# Altium PCB MCU023_MSP-EXP432E401Y.PcbDoc (part 3 of 4)
Units mil, origin at the board's own origin, x right, y up, seen from the top; angles counter-clockwise.
Board outline 2500 x 6850 mil, 4 copper layers (Top Layer, VCC Layer, GND Layer, Bottom Layer), stack 62.434 mil thick; 203 components, 183 nets, 939 pads, 602 vias.
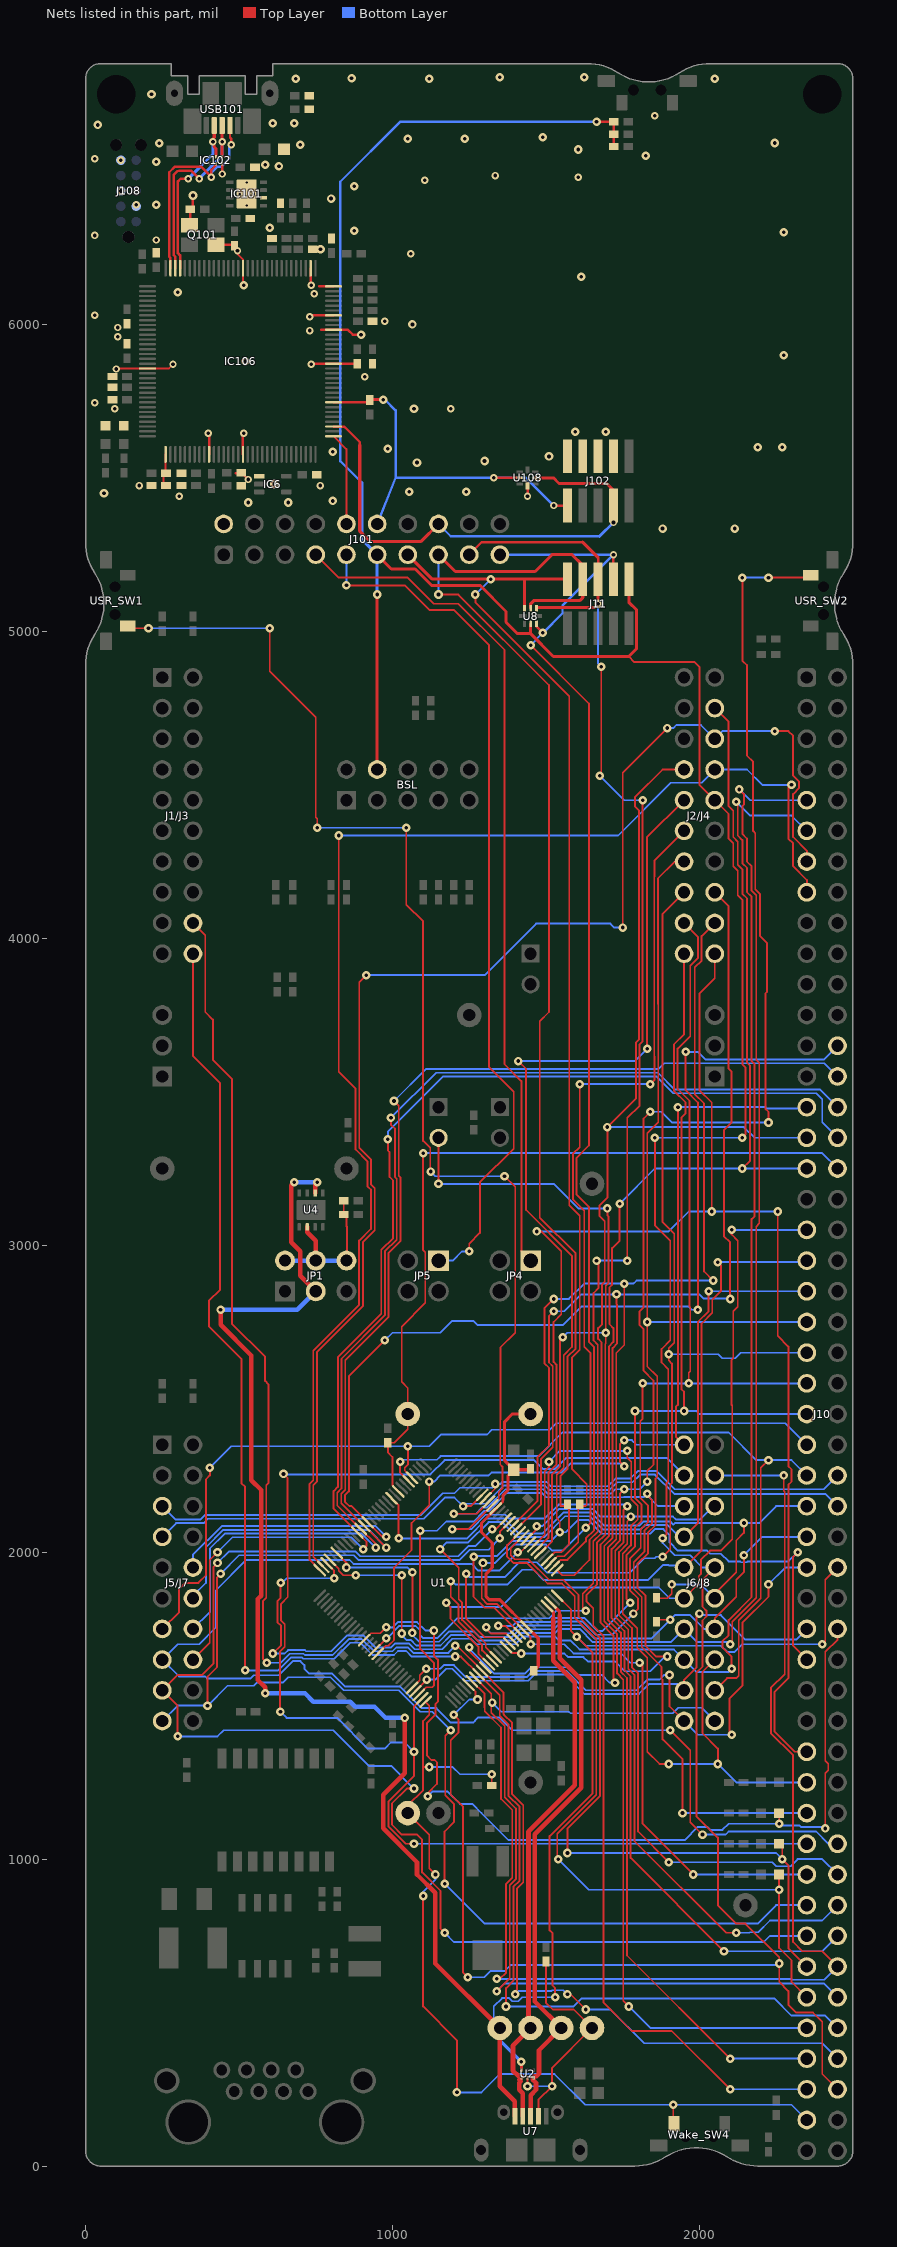
[diagram p5: the nets of this part, all layers, seen from the top]

## Via types
v1: diameter 28, hole 12, Top Layer to Bottom Layer, 442 vias
v2: diameter 24, hole 12, Top Layer to Bottom Layer, 86 vias
v3: diameter 28/28/28/28 (per signal layer), hole 12, Top Layer to Bottom Layer, 66 vias
v4: diameter 19.68, hole 7.87, Top Layer to Bottom Layer, 8 vias

## Nets (pads, with @x,y where several pads share a name; then routed paths per layer and width w, separated by ;. In a path a pad name is that pad's centre, name@x,y a point inside that pad or via, vN(x,y) a via of type N, cw(c..) or ccw(c..) an arc to the next point about the centre after c; other vN are vias at no path point) (continued)
PF4: D3.1 J10.64 U1.46 | length 2971
  Top Layer w6: U1.46@907.8,1713.48 930,1735.68 960.68,1735.68 v1(980,1755) ; v1(1115,1205) 1115,1215 1145,1245 1145,1315 1137,1323 1127,1323 1112,1338 1112,1442 1140,1470 1140,1505 1148,1513 1148,1650 1135,1663 v1(1135,1745) ; D3.1@2259.53,1150 2260,1149.53 v1(2260,1115) ; v1(2410,1100) 2410,1280 2420,1290 2420,1310 2410,1320 2410,1675 2450,1715 J10.64@2450,1750
  Bottom Layer w6: v1(980,1755) 1000.5,1755 1017.5,1772 1055.03,1772 1079.97,1772 1106.97,1745 v1(1135,1745) ; v1(1115,1205) 1130,1220 1180,1220 1220,1180 1260,1180 1290,1150 1378,1062 1952,1062 1995,1105 2025,1105 2035,1095 2075,1095 2095,1115 v1(2260,1115) 2260,1110 2325,1110 2330,1105 2405,1105 v1(2410,1100)
PG0: J2/J4.37 J10.31 U1.49 | length 4410.1
  Top Layer w6: U1.49@941.21,1680.07 979.23,1718.1 v1(979.23,1720) ; v1@1630,1805 1620,1815 1620,1865 1653.99,1898.99 1653.99,2035.04 1681,2062.06 1681,2684 1670,2695 1670,2730 1683,2743 1683,2873 1691.5,2881.5 1691.5,3078.5 1675,3095 1675,3130 1700,3155 v1(1700,3385) 1793,3478 1793,3659.97 1803,3669.97 1803,4417 1790,4430 1790,4460 1880,4550 J2/J4.37@1950,4550
  Bottom Layer w6: v1(979.23,1720) 982.47,1720 1022.47,1760 1060,1760 1075,1760 1090,1745 1090,1730 1100,1720 1146.56,1720 1211.56,1785 1510.12,1785 1534.12,1809 v1(1630,1809) ; v1(1700,3385) 2145,3385 2180,3350 J10.31@2350,3350
PG1: J6/J8.40 J10.29 U1.50 | length 3133.8
  Top Layer w6: U1.50@952.34,1668.94 978.41,1695 986.76,1695 1005,1713.24 1005,1950 1062,2007 1062,2095 1120,2153 v1(1120,2230) ; v1(1755,2280) 1741,2294 1741,2351 v1(1755,2365) ; v1(1930,3450) 1930,2480 1923.5,2473.5 1923.5,2376.5 J6/J8.40@1950,2350
  Bottom Layer w6: v1(1120,2230) 1135.56,2230 1155.56,2250 1313.5,2250 1322.68,2259.18 1549.68,2259.18 1579.03,2288.53 1746.47,2288.53 v1(1755,2280) ; v1(1755,2365) 1780,2365 1795,2350 J6/J8.40@1950,2350 ; v1(1930,3450) 2215,3450 2220,3445 2345,3445 J10.29@2350,3450
PH0: J6/J8.34 J10.9 U1.29 | length 4730.1
  Top Layer w6: U1.29@796.45,1975.16 825,1946.61 825,1940 840,1925 v1(880,1925) ; v1(1030,1735) 1028,1737 1030,1739 v1(1030,1925) ; v1(2100,1700) 2107,1707 2107,1773.97 2185,1851.97 2185,3060.94 2195,3070.94 2195,3595 2185,3605 2185,4140 2170,4155 2170,4235 2155,4250 2155,4325 2140,4340 2140,4430 2145,4435 2145,4470 v1(2130,4485)
  Bottom Layer w6: v1(880,1925) v1(1030,1925) ; v1(1030,1735) 1025,1735 1025,1734 1045,1714 1059.44,1714 1077.44,1696 1156.5,1696 1190.5,1730 1259.5,1730 1277.5,1712 1395.03,1712 1420.03,1737 1530,1737 1543,1750 1610,1750 1653,1707 1907,1707 J6/J8.34@1950,1750 1993,1707 2093,1707 v1(2100,1700) ; v1(2130,4485) 2165,4450 J10.9@2350,4450
PH1: J6/J8.33 J10.11 U1.30 | length 5301.7
  Top Layer w6: v1(610,1670) 637,1697 637,1759.97 625,1771.97 625,1840 635,1850 635,1900 v1@640,1900 ; U1.30@785.31,1964.03 810,1939.34 v1(810,1915) ; v1(2105,1620) 2105,1660 2075,1690 2075,1710 2095,1730 2095,1778.94 2170,1853.94 2170,3085 2180,3095 2180,3590 2170,3600 2170,4135 2155,4150 2155,4230 2140,4245 2140,4320 2125,4335 2125,4440 v1(2120,4445)
  Bottom Layer w6: v1(610,1670) 649.09,1670 660.09,1681 714.91,1681 718.91,1677 800.53,1677 852.53,1729 904.94,1729 944.94,1689 995.06,1689 1008.06,1702 1054.47,1702 1072.47,1684 1161.47,1684 1195.47,1718 1254.53,1718 1272.53,1700 1400,1700 1425,1725 1530,1725 1543,1712 1580.47,1712 1609.47,1683 1917,1683 J6/J8.33@1950,1650 1990,1610 2095,1610 v1(2105,1620) ; v1@640,1900 655,1915 v1(810,1915) ; v1(2120,4445) 2165,4400 2300,4400 J10.11@2350,4350
  other v1: 636,1900
PH2: J2/J4.18 J10.13 U1.31 | length 4568.2
  Top Layer w6: U1.31@774.18,1952.89 742,1985.07 742,2217.76 754,2229.76 754,2652.03 903.48,2801.51 903.48,3010 936,3042.52 936.24,3042.52 942,3048.28 942,3186.15 930.38,3197.78 930.38,3278.56 892,3316.94 892,3857 v1(915,3880) ; v1(1750,4035) 1750,4540 v1(1895,4685) ; v1(2245,4675) 2290,4675 2305,4660 2305,4530 2325,4510 2325,4490 2305,4470 2305,4330 2350,4285 J10.13@2350,4250
  Bottom Layer w6: v1(915,3880) 1300,3880 1468,4048 1710,4048 1723,4035 v1(1750,4035) ; v1(1895,4685) 1915,4685 1925,4695 2005,4695 J2/J4.18@2050,4650 2075,4675 v1(2245,4675)
PH3: J2/J4.17 J10.15 U1.32 | length 4497
  Top Layer w6: U1.32@763.04,1941.76 730,1974.8 730,2222.73 742,2234.73 742,2657 891.48,2806.48 891.48,3014.97 930,3053.49 930,3181.18 918.38,3192.81 918.38,3273.59 880,3311.97 880,3510 825,3565 v1(825,4335) ; v1(2300,4500) 2290,4490 2290,4325 2305,4310 2305,4235 2350,4190 J10.15@2350,4150
  Bottom Layer w6: v1(825,4335) 1735,4335 1907,4507 2007,4507 J2/J4.17@2050,4550 2155,4550 2205,4500 v1(2300,4500)
PJ0: J10.82 U1.116 USR_SW1.4 | length 6725.6
  Top Layer w6: USR_SW1.4@137.56,5017.32 144.88,5010 v1(205,5010) ; v1(600,5010) 600,4870 750,4720 750,4395 755,4390 v1(755,4360) ; v1(1045,4360) 1045,4110 1100,4055 1100,3340 1123,3317 1123,3242 v1(1125,3240) ; v1(1195,2075) 1247.05,2075 U1.116@1325.38,2153.33 1346,2173.95 1346,2195.91 1358,2207.91 1358,2279 1351.3,2285.7 1351.3,2431.8 1352,2432.5 1352,2667 1400,2715 1400,3190 v1(1365,3225) ; v1(1765,2150) 1753,2138 1753,2032.24 1726,2005.24 1726,1790.06 1768,1748.06 1768,1620.03 1788,1600.03 1788,1058.97 2086.97,760 v1(2120,760)
  Bottom Layer w6: v1(205,5010) v1(600,5010) ; v1(755,4360) v1(1045,4360) ; v1(1125,3240) 1140,3225 v1(1365,3225) ; v1(1195,2075) 1256.06,2075 1303.06,2122 1366.94,2122 1378.94,2110 1496,2110 1541,2155 1760,2155 v1(1765,2150) ; v1(2120,760) 2163.03,760 2165.03,762 2192,762 2230,800 2400,800 J10.82@2450,850
PJ1: J10.84 U1.117 USR_SW2.4 | length 6566.4
  Top Layer w6: v1(1200,2125) 1274.78,2125 U1.117@1314.25,2164.47 ; v1(1755,2205) 1741,2191 1741,2037.21 1714,2010.21 1714,1785.09 1756,1743.09 1756,1615.06 1776,1595.06 1776,1004 v1(2080,700) ; v1(1830,2230) 1830,2265 1850.49,2285.49 1850.49,2559.04 1818,2591.53 1818,2727 1805,2740 1805,2785 1818,2798 1818,3413 v1(1840,3435) ; v1(2140,5175) 2140,4905 2155,4890 2155,4595 2175,4575 2175,4350 2182,4343 2182,4159.97 2197,4144.97 2197,4008 2220,3985 2220,3825 2215,3820 2215,3445 2225,3435 v1(2225,3400) ; v1(2225,5175) 2354.76,5175 USR_SW2.4@2362.44,5182.68
  Bottom Layer w6: v1(1200,2125) 1272.12,2125 1293.12,2146 1309.03,2146 1368.21,2205.18 1491.79,2205.18 1505.97,2191 1711.97,2191 1725.97,2205 v1(1755,2205) 1805,2205 v1(1830,2230) ; v1(1840,3435) 1875,3435 1910,3400 v1(2225,3400) ; v1(2080,700) 2400,700 J10.84@2450,750 ; v1(2140,5175) v1(2225,5175)
PK0: J5/J7.25 J10.26 U1.18 | length 3946.8
  Top Layer w6: v1(975,2690) 858,2573 858,2198 845,2185 845,2165 860,2150 866.59,2150 U1.18@918.94,2097.66 966.59,2050 v1(980,2050) ; v1(1955,3630) 1955,3505 1995,3465 v1(1995,2790)
  Bottom Layer w6: J5/J7.25@350,1950 350,1991.03 443.74,2084.77 945.23,2084.77 v1(980,2050) ; v1(975,2690) 1000,2715 1155,2715 1192.97,2752.97 1265,2752.97 1277.97,2740 1555,2740 1615,2800 1965,2800 1975,2790 v1(1995,2790) ; v1(1955,3630) 1995,3630 2020,3605 2405,3605 J10.26@2450,3650
PK1: J5/J7.26 J10.28 U1.19 | length 3939.3
  Top Layer w6: v1@980,2014.32 v1@979.32,2015 ; v1(980,2015) v1@979.32,2015 ; v1(1005,3470) 1020.19,3454.81 1020.19,3226.76 1026,3220.95 1026,3013.49 987.48,2974.97 987.48,2766.72 846,2625.24 846,2202.97 833,2189.97 833,2160.03 906.51,2086.52 U1.19@907.8,2086.52 v1@979.32,2015
  Bottom Layer w6: J5/J7.26@350,1850 350,1857.5 392.5,1900 392.5,2016.56 448.71,2072.77 922.23,2072.77 v1(980,2015) ; v1(1005,3470) 1109,3574 1866,3574 1885,3593 2407,3593 J10.28@2450,3550
PK2: J5/J7.27 J10.30 U1.20 | length 3966.3
  Top Layer w6: v1(945,2015) 945,2027.05 U1.20@896.67,2075.38 820,2152.05 820,2193.94 834,2207.94 834,2630.21 975.48,2771.69 975.48,2979.94 1014,3018.46 1014,3215.98 1008.19,3221.79 1008.19,3380 995,3393.19 v1(995,3415)
  Bottom Layer w6: J5/J7.27@350,1750 405,1805 405,2012.09 453.68,2060.77 899.23,2060.77 v1(945,2015) ; v1(995,3415) 1142,3562 1865,3562 1920,3507 2393,3507 J10.30@2450,3450
PK3: J5/J7.28 J10.32 U1.21 | length 4056.6
  Top Layer w6: J5/J7.28@350,1650 404.5,1704.5 404.5,1974.5 v1(430,2000) ; v1(905,2010) 915,2020 915,2034.78 U1.21@885.53,2064.25 808,2141.78 808,2198.91 822,2212.91 822,2635.18 963.48,2776.66 963.48,2984.91 1002,3023.43 1002,3211.01 990.38,3222.63 990.38,3303.42 985,3308.79 v1(985,3345)
  Bottom Layer w6: v1(430,2000) 478.77,2048.77 866.23,2048.77 v1(905,2010) ; v1(985,3345) 985,3370 1165,3550 1860,3550 1915,3495 2380,3495 2400,3475 2400,3400 J10.32@2450,3350
PK4: J6/J8.39 J10.77 U1.63 | length 4533.2
  Top Layer w6: v1(635,1480) 633,1482 633,1676.03 649,1692.03 649,1764.94 637,1776.94 637,1832 659,1854 659,1922.03 658,1923.03 658,2242 v1(645,2255) ; v1(1070,1050) 1043.33,1050 986.5,1106.83 986.5,1186.5 1070,1270 v1(1070,1350) 1070,1497.07 U1.63@1097.11,1524.18
  Bottom Layer w6: v1(635,1480) 655,1460 820,1460 920,1360 975,1360 995,1380 1040,1380 v1(1070,1350) ; v1(645,2255) 646.45,2253.55 1123.55,2253.55 1170,2300 1461.18,2300 1490,2271.18 1530,2271.18 1565.82,2307 1777,2307 1893,2307 J6/J8.39@1950,2250 ; v1(1070,1050) J10.77@2350,1050
PK5: J6/J8.38 J10.75 U1.62 | length 3067.4
  Top Layer w6: U1.62@1085.97,1535.31 1110.66,1560 1130,1560 1135,1565 1135,1640 1090,1685 v1(1090,2070) ; v1(1830,2190) 1835,2185 1835,2180 1845,2170 1845,2093.44 1821,2069.44 1821,2001.97 1786,1966.97 1786,1880.03 1812,1854.03 1812,1691.03 1876.51,1626.52 1876.51,1587.99 1880,1584.5 1880,1390 1945,1325 v1(1945,1150)
  Bottom Layer w6: v1(1090,2070) 1145,2070 1175,2100 1264.09,2100 1298.09,2134 1314,2134 1373.18,2193.18 1486.82,2193.18 1501,2179 1754,2179 1755,2180 1820,2180 v1(1830,2190) 1830,2185 1865,2150 J6/J8.38@1950,2150 ; v1(1945,1150) J10.75@2350,1150
PK6: J6/J8.32 J10.63 U1.61 | length 1648.9
  Top Layer w6: U1.61@1074.84,1546.45 1074.84,1547.84 v1(1112,1585) ; J6/J8.32@1950,1550 1950,1583.94 1990,1623.94 1990,1790 v1(2000,1800)
  Bottom Layer w6: v1(1112,1585) 1140,1585 1175,1620 1195,1620 1234,1581 1442.44,1581 1462.44,1601 1562.03,1601 1625.03,1538 1803,1538 1835,1570 1930,1570 J6/J8.32@1950,1550 ; v1(2000,1800) 2005,1795 2070,1795 2150,1715 2315,1715 J10.63@2350,1750
PK7: J6/J8.31 J10.59 U1.60 | length 1987.3
  Top Layer w6: U1.60@1063.7,1557.58 1089,1582.88 1089,1599 v1(1110,1620) ; v1(1902.5,1600) 1902.5,1497.5 J6/J8.31@1950,1450 ; v1(2105,1405) 2097.5,1412.5 2097.5,1522.5 2140,1565 2140,1770 2225,1855 v1(2225,1895)
  Bottom Layer w6: v1(1110,1620) 1155,1620 1167,1632 1199.97,1632 1238.97,1593 1437.47,1593 1457.47,1613 1567,1613 1630,1550 1795,1550 1830,1585 1870,1585 1885,1600 v1(1902.5,1600) ; J6/J8.31@1950,1450 1995,1405 v1(2105,1405) ; v1(2225,1895) 2280,1950 J10.59@2350,1950
PL0: J2/J4.34 J10.43 U1.81 | length 3856.7
  Top Layer w6: U1.81@1369.93,1691.21 1389.14,1672 1418,1672 v1(1420,1670) ; v1(1895,1660) 1860,1660 1824,1696 1824,1859 1798,1885 1798,1962 1833,1997 1833,2064.47 1857,2088.47 1857,2239.88 1862.49,2245.37 1862.49,2572.51 1830,2605 v1(1830,2750) 1830,3365 1866,3401 1866,3784 1865,3785 1865,4195 1920,4250 J2/J4.34@1950,4250
  Bottom Layer w6: v1(1420,1670) 1560,1670 1572,1658 1622,1658 1636,1644 1725,1644 1757,1612 1839.5,1612 1887.5,1660 v1(1895,1660) ; v1(1830,2750) J10.43@2350,2750
PL1: J2/J4.33 J10.45 U1.82 | length 3719.1
  Top Layer w6: v1(1240,1930) 1239,1929 1239,1784.44 1300.44,1723 1360.41,1723 U1.82@1381.06,1702.34 ; v1(1880,1985) 1905,2010 1905,2220 1910.49,2225.49 1910.49,2614.51 1900,2625 v1(1900,2645) 1900,2665 1918,2683 1918,3037 1880,3075 1880,4080 J2/J4.33@1950,4150
  Bottom Layer w6: v1(1240,1930) 1251,1919 1365.21,1919 1413.21,1967 1469.47,1967 1503.47,1933 1773,1933 1820,1980 1855,1980 1860,1985 v1(1880,1985) ; v1(1900,2645) 2062,2645 2075,2632 2117,2632 2135,2650 J10.45@2350,2650
PL2: J2/J4.32 J10.47 U1.83 | length 3570.9
  Top Layer w6: v1(1305,1755) 1305,1750 1320,1735 1370.68,1735 U1.83@1392.2,1713.48 ; v1(1785,1800) 1800,1815 1800,1849.06 1774,1875.06 1774,1980 1809,2015 1809,2074.41 1833,2098.41 1833,2152 1807,2178 1807,2427 1815,2435 v1(1815,2550) ; J2/J4.32@1950,4050 1995,4005 1995,3935 1970,3910 1970,3681.5 1929,3640.5 1929,3509 1968,3470 1968,2800.03 1970,2798.03 1970,2590 1965,2585 v1(1965,2550)
  Bottom Layer w6: v1(1305,1755) 1301,1755 1320,1736 1385.09,1736 1410.09,1761 1520.06,1761 1533.06,1774 1619.94,1774 1662.94,1731 1716,1731 v1(1785,1800) ; v1(1815,2550) v1(1965,2550) J10.47@2350,2550
PL3: J2/J4.31 J10.49 U1.84 | length 3321.3
  Top Layer w6: v1(1345,1760) 1367.95,1760 U1.84@1403.33,1724.62 ; v1(1775,1835) 1762,1848 1762,1990.32 1790,2018.32 1790,2080.5 1811,2101.5 1811,2155.97 1790,2176.97 v1(1790,2460) ; v1(1950,2460) 1950,2522 1942,2530 1942,3417 1955,3430 1955,3465 1917,3503 1917,3654 1950,3687 J2/J4.31@1950,3950
  Bottom Layer w6: v1(1345,1760) 1392.12,1760 1405.12,1773 1515.09,1773 1528.09,1786 1624.91,1786 1667.91,1743 1683,1743 v1(1775,1835) ; v1(1790,2460) v1(1950,2460) 1990,2460 2000,2450 J10.49@2350,2450
PL4: J2/J4.36 J10.65 U1.85 | length 4835.3
  Top Layer w6: v1(1265,1985) 1265,1980 1264,1979 1264,1855 1300,1819 1331.22,1819 U1.85@1414.47,1735.75 ; v1(1410,3600) 1435,3575 1435,3115 1584.51,2965.49 1584.51,2668.46 1558,2641.94 1558,2274.97 1535,2251.97 1535,2110 1545,2100 v1(1545,2065) ; v1(1830,3640) 1829,3641 1829,4329 J2/J4.36@1950,4450 ; v1(2320,2000) 2305,1985 2305,1695 J10.65@2350,1650
  Bottom Layer w6: v1(1265,1985) 1268,1988 1341.03,1988 1390.03,2037 1517,2037 v1(1545,2065) 1565,2065 1605,2105 1637.53,2105 1682.53,2060 1840,2060 1855,2075 1882.53,2075 1903,2054.53 1903,2032 1930,2005 2025,2005 2035,1995 2070,1995 2095,1970 2132.47,1970 2135.47,1967 2154.53,1967 2157.53,1970 2290,1970 v1(2320,2000) ; v1(1410,3600) 1790,3600 v1(1830,3640)
PL5: J2/J4.35 J10.79 U1.86 | length 4858.3
  Top Layer w6: v1(1295,1965) 1291,1961 1291,1849.2 1309.2,1831 1341.49,1831 U1.86@1425.6,1746.89 1450,1722.49 v1(1450,1700) ; v1@1610,3530 v1(1610,3525) 1610,3320 1588,3298 1588,3150 1625,3113 1625,2670 1645,2650 1645,2095 v1(1630,2080) ; v1(1805,1640) 1815,1630 1815,1115 v1(1980,950) ; v1(1840,3525) 1854,3539 1854,3615 1853,3616 1853,4200.97 1854,4201.97 1854,4254 J2/J4.35@1950,4350
  Bottom Layer w6: v1(1295,1965) 1335,1965 1395,2025 1500,2025 1520,2005 1555,2005 v1(1630,2080) ; v1(1450,1700) 1560,1700 1590,1670 1745,1670 1775,1640 v1(1805,1640) ; v1(1610,3525) v1(1840,3525) v1@1845,3525 ; v1(1980,950) J10.79@2350,950
PM0: J6/J8.37 J10.41 U1.78 | length 2499.8
  Top Layer w6: v1(1155,2010) 1215.99,1949.01 1215.99,1845.99 1227,1834.97 1227,1779.47 1304,1702.47 1304,1690.32 U1.78@1336.52,1657.8 ; J6/J8.37@1950,2050 1995,2095 1995,2750 2030,2785 v1(2030,2850)
  Bottom Layer w6: v1(1155,2010) 1177,2032 1247,2032 1313,2098 1357,2098 1406,2049 1494,2049 1562,2117 1642.5,2117 1685.09,2074.41 1809,2074.41 1823.03,2088.44 1896.56,2088.44 1935,2050 J6/J8.37@1950,2050 ; v1(2030,2850) J10.41@2350,2850
PM1: J6/J8.36 J10.39 U1.77 | length 2477
  Top Layer w6: v1(1190,1905) 1190,1855 1215,1830 1215,1774.5 1292,1697.5 1292,1680.05 U1.77@1325.38,1646.67 ; J6/J8.36@1950,1950 2007,2007 2007,2745.03 2042,2780.03 2042,2822 2070,2850 2070,2935 v1(2060,2945)
  Bottom Layer w6: v1(1190,1905) 1195,1905 1205,1895 1375.15,1895 1423.15,1943 1459.53,1943 1493.53,1909 1831.47,1909 1880.47,1958 1899.53,1958 1901.26,1956.26 1943.74,1956.26 J6/J8.36@1950,1950 ; v1(2060,2945) 2345,2945 J10.39@2350,2950
PM2: J6/J8.35 J10.37 U1.76 | length 2626.9
  Top Layer w6: v1(1175,1835) 1189,1821 1189,1783.53 1280,1692.53 1280,1669.78 U1.76@1314.25,1635.53 ; J6/J8.35@1950,1850 1998,1898 1998,1921.97 2005,1928.97 2005,1975 2035,2005 2070,2005 2107,2042 2107,2478 2105,2480 2105,2627 2110,2632 2110,2785 2125,2800 2125,3015 2105,3035 v1(2105,3050)
  Bottom Layer w6: v1(1175,1835) 1189,1821 1352.06,1821 1416.06,1885 1867.5,1885 1902.5,1850 J6/J8.35@1950,1850 ; v1(2105,3050) J10.37@2350,3050
PM3: J2/J4.19 J10.33 U1.75 | length 4461.3
  Top Layer w6: v1(1250,1690) 1250,1677.51 U1.75@1303.11,1624.4 ; v1(1725,1575) 1720,1580 1720,1728.18 1678,1770.18 1678,1949 1677.99,2025.1 1705,2052.12 1705,2670 1720,2685 1720,2730 1707,2743 1707,2863.06 1715.5,2871.56 1715.5,2990.5 1740,3015 v1(1740,3135) ; J2/J4.19@2050,4750 2095,4705 2095,4430 2110,4415 2110,4330 2125,4315 2125,4240 2140,4225 2140,4145 2155,4130 2155,3595 2165,3585 2165,3275 v1(2140,3250)
  Bottom Layer w6: v1(1250,1690) 1250,1685 1330,1605 1432.5,1605 1452.5,1625 1575,1625 1600,1600 1682,1600 1707,1575 v1(1725,1575) ; v1(1740,3135) 1855,3250 v1(2140,3250) J10.33@2350,3250
PM4: J1/J3.29 J10.92 U1.74 | length 5601.6
  Top Layer w6: J1/J3.29@350,4050 390,4010 390,3760 415,3735 415,3603.94 477,3541.94 477,2744.06 585,2636.06 585,2558.03 596,2547.03 596,2224.97 589,2217.97 589,1851.77 578,1840.77 578,1652 v1(590,1640) ; v1(1205,1695) 1210.24,1695 U1.74@1291.98,1613.26 1361.63,1543.61 1361.63,1473.12 1362.97,1471.78 1362.97,1470.47 1389.65,1443.78 1389.65,1211.26 1426,1174.91 1426,925.09 1406,905.09 1406,576 1400,570 v1(1400,560) ; v1(1570,560) 1580,560 v1(1630,510)
  Bottom Layer w6: v1(590,1640) 636.06,1640 665.06,1669 709.94,1669 713.94,1665 805.5,1665 857.5,1717 899.97,1717 939.97,1677 1000.03,1677 1013.03,1690 1049.5,1690 1067.5,1672 1182,1672 v1(1205,1695) ; v1(1400,560) 1410,570 1517.47,570 1520.47,573 1557,573 v1(1570,560) ; v1(1630,510) 1710,510 1820,400 2400,400 J10.92@2450,350
PM5: J1/J3.30 J10.90 U1.73 | length 5576.5
  Top Layer w6: J1/J3.30@350,3950 350,3616.97 438.5,3528.47 438.5,2980 438.5,2855.03 402,2818.53 402,2736.03 508,2630.03 508,2225.03 520,2213.03 v1(520,1615) ; v1(1205,1660) 1222.97,1660 U1.73@1280.84,1602.12 1349.63,1533.34 1349.63,1466.84 1377.65,1438.81 1377.65,1206.29 1414,1169.94 1414,930.06 1394,910.06 1394,604 1370,580 v1(1370,520)
  Bottom Layer w6: v1(520,1615) 628.03,1615 670.03,1657 704.97,1657 708.97,1653 810.47,1653 862.47,1705 895,1705 935,1665 1005,1665 1018,1678 1044.53,1678 1062.53,1660 v1(1205,1660) ; v1(1370,520) 1590,520 1616,546 2244,546 2300,490 2410,490 J10.90@2450,450
PM6: J6/J8.11 J10.88 U1.72 | length 3011.9
  Top Layer w6: U1.72@1269.71,1590.99 1322,1538.7 1322,1477.5 1365.65,1433.84 1365.65,1201.32 1402,1164.97 1402,935.03 1382,915.03 1382,612 v1(1340,570)
  Bottom Layer w6: v1@1322,1515 1322,1511.44 v1@1324.22,1509.22 ; v1(1325,1510) 1355,1480 1575,1480 1580,1475 1912.5,1475 1930.5,1493 2007,1493 J6/J8.11@2050,1450 ; v1(1340,570) 1365,595 2405,595 J10.88@2450,550
PM7: J6/J8.19 J10.86 U1.71 | length 4152.8
  Top Layer w6: U1.71@1258.57,1579.85 1300,1538.42 1300,1493.91 1300.81,1493.1 1300.81,1481.72 1353.65,1428.87 1353.65,1196.35 1390,1160 1390,940 1370,920 1370,630 1350,610 v1(1340,610) ; v1(2275,2250) 2275,2200 2278,2197 2278,1603 2233,1558 2233,1410.03 2305,1338.03 2305,730 2335,700 2400,700 J10.86@2450,650
  Bottom Layer w6: v1(1340,610) 2300,610 2303,607 2407,607 J10.86@2450,650 ; J6/J8.19@2050,2250 v1(2275,2250)
PN0: D2.1 J10.85 U1.107 | length 2413
  Top Layer w6: U1.107@1425.6,2053.11 1385.52,2013.03 1385.52,1990.47 1398.99,1977 1443,1977 1510,1910 1556.97,1910 1606,1860.97 1606,1790.97 1676,1720.97 1676,1205.09 1570,1099.09 v1(1570,1020) ; D2.1@2259.53,1050 2270,1039.53 v1(2270,1000) 2290,980 2290,710 J10.85@2350,650
  Bottom Layer w6: v1(1570,1020) 2250,1020 v1(2270,1000)
PN1: D1.1 J10.87 U1.108 | length 2506.9
  Top Layer w6: U1.108@1414.47,2064.25 1373.52,2023.3 1373.52,1985.5 1394.02,1965 1438.03,1965 1505.03,1898 1552,1898 1594,1856 1594,1786 1664,1716 1664,1210.06 1536.97,1083.03 1536.97,1030.03 ; 1537,1030 1537,1003 v1(1540,1000) ; D1.1@2259.53,950 v1(2259.53,900.47) 2259.53,710.47 2300,670 2300,600 J10.87@2350,550
  Bottom Layer w6: v1(1540,1000) 1639.53,900.47 v1(2259.53,900.47)
PN2: J2/J4.13 J10.89 U1.109 | length 5720.7
  Top Layer w6: U1.109@1403.33,2075.38 1484,2156.05 1484,2304 1522,2342 1522,2606.03 1510,2618.03 1510,2770 v1(1525,2785) ; v1(1730,2840) 1730,2808.97 1732,2806.97 1732,2680.03 1717,2665.03 1717,2047.15 1690,2020.15 1690,1775.15 1732,1733.15 1732,1605.12 1752,1585.12 1752,538 v1(1770,520) ; J2/J4.13@2050,4150 2095,4105 2095,3575 2105,3565 2105,3400 2080,3375 2080,3030 2100,3010 v1(2100,2825)
  Bottom Layer w6: v1(1525,2785) 1560,2785 1615,2840 v1(1730,2840) 2000,2840 2013,2827 2098,2827 v1(2100,2825) ; v1(1770,520) 1840,450 J10.89@2350,450
PN3: J2/J4.12 J10.91 U1.110 | length 5529.4
  Top Layer w6: U1.110@1392.2,2086.52 1472,2166.32 1472,2308.97 1510,2346.97 1510,2601.06 1495,2616.06 1495,2795 v1(1525,2825) ; v1(1755,2875) 1755,2675 1729,2649 1729,2042.18 1702,2015.18 1702,1780.12 1744,1738.12 1744,1610.09 1764,1590.09 1764,686 v1(2100,350) ; v1(2045,2885) 2015,2915 2015,3461.97 1985,3491.97 1985,3905 2007,3927 2007,4007 J2/J4.12@2050,4050
  Bottom Layer w6: v1(1525,2825) 1575,2825 1625,2875 v1(1755,2875) 1785,2875 1795,2885 v1(2045,2885) ; v1(2100,350) J10.91@2350,350
PN4: J5/J7.10 J10.81 U1.111 | length 4344.7
  Top Layer w6: v1(397.5,1500) 397.5,1595 428.5,1626 428.5,1918.5 v1(440,1930) ; v1(1170,920) 1170,1090 1200,1120 1200,1180 1172,1208 1172,1402 v1(1190,1420) ; v1(1350,2045) 1350,2066.59 U1.111@1381.06,2097.66
  Bottom Layer w6: J5/J7.10@250,1450 300,1500 v1(397.5,1500) 462.5,1565 548.03,1565 558.03,1575 642.47,1575 660,1592.53 798.1,1592.53 840.62,1550 1020,1550 1090,1480 1130,1480 v1(1190,1420) ; v1(440,1930) 500,1990 874,1990 890,1974 1217.99,1974 1251.99,2008 1313,2008 v1(1350,2045) ; v1(1170,920) 1300,790 2190,790 2250,850 J10.81@2350,850
PN5: J5/J7.9 J10.83 U1.112 | length 4414.1
  Top Layer w6: v1(300,1400) 300,1500 J5/J7.9@250,1550 300,1600 380,1600 416.5,1636.5 416.5,1951.5 v1(430,1965) ; v1(1070,1230) 1046.97,1230 998.5,1181.53 998.5,1111.8 1030.31,1080 1080,1080 1096.5,1063.5 1096.5,956.83 1156.5,896.83 1156.5,773.5 v1(1170,760) ; v1(1325,2075) 1320,2070 1331.14,2070 U1.112@1369.93,2108.79
  Bottom Layer w6: v1(300,1400) 430,1400 450,1420 806.67,1420 923.17,1303.5 996.5,1303.5 v1(1070,1230) ; v1(430,1965) 467,2002 880.47,2002 895.47,1987 1214.01,1987 1247.01,2020 1270,2020 v1(1325,2075) ; v1@1160,760 v1(1170,760) 1200,730 2210,730 2230,750 J10.83@2350,750
PP0: J5/J7.3 J10.54 U1.118 | length 2395.3
  Top Layer w6: U1.118@1303.11,2175.6 1335,2207.49 v1@1335,2220
  Bottom Layer w6: J5/J7.3@250,2150 293,2107 375,2107 388.77,2120.77 1091.84,2120.77 1163.07,2192 1202,2192 1220,2210 1325,2210 v1@1335,2220 ; v1(1335,2222) 1351.09,2222 1358.27,2229.18 1501.73,2229.18 1515.91,2215 1702.03,2215 1727.03,2240 1775,2240 1800,2265 1860,2265 1920,2205 2405,2205 J10.54@2450,2250
PP1: J5/J7.4 J10.56 U1.119 | length 2438.9
  Top Layer w6: v1(1230,2150) 1255.24,2150 U1.119@1291.98,2186.74
  Bottom Layer w6: J5/J7.4@250,2050 295,2095 385,2095 398.77,2108.77 1101.24,2108.77 1170.47,2178 1202,2178 v1(1230,2150) 1238,2158 1304.06,2158 1363.24,2217.18 1496.76,2217.18 1510.94,2203 1707,2203 1732,2228 1782,2228 1807,2253 1855.03,2253 1918.03,2190 2410,2190 J10.56@2450,2150
PP2: J2/J4.11 J10.71 U1.103 | length 4676.4
  Top Layer w6: v1(1470,3045) 1485,3045 1550,2980 1550,2775 1525,2750 1525,2620 1534,2611 1534,2284.91 1508,2258.91 1508,2046.42 U1.103@1470.15,2008.57 ; v1(2040,3110) 2040,3465 2000,3505 2000,3820 2050,3870 J2/J4.11@2050,3950 ; v1(2255,3110) 2255,2705 2290,2670 2290,2280 2300,2270 2300,2230 2290,2220 2290,1590 2245,1545 2245,1415 2310,1350 J10.71@2350,1350
  Bottom Layer w6: v1(1470,3045) 1900,3045 1965,3110 v1(2040,3110) v1(2255,3110)
PP3: J6/J8.13 J10.73 U1.104 | length 2552.1
  Top Layer w6: U1.104@1459.01,2019.71 1496,2056.7 1496,2263.88 1510,2277.88 v1(1510,2295) ; v1(1765,2330) 1765,2308 1778,2295 1778,2172 1799,2151 1799,2106.47 1777,2084.47 1777,2022.3 1750,1995.3 1750,1800 1797.53,1752.47 1797.53,1688.53 1830,1656.06 1830,1350 1870,1310 v1(1900,1310) ; J6/J8.13@2050,1650 2010,1610 2010,1410 2060,1360 v1(2060,1310)
  Bottom Layer w6: v1(1510,2295) 1545,2330 v1(1765,2330) ; v1(1900,1310) v1(2060,1310) 2120,1250 J10.73@2350,1250
PP4: J5/J7.8 J10.78 U1.105 | length 4117.5
  Top Layer w6: v1(1408.52,2000) 1417.03,2000 U1.105@1447.88,2030.84 ; v1(1905,1420) 1970,1355 1970,1120 v1(2010,1080)
  Bottom Layer w6: v1(1408.52,2000) 1348.52,1940 1280,1940 1258,1962 873,1962 860,1975 523.89,1975 425,1876.11 425,1755 370,1700 300,1700 J5/J7.8@250,1650 305,1595 390,1595 396,1589 538.09,1589 548.09,1599 629,1599 675,1645 700,1645 713,1632 713,1620 728.47,1604.53 803.07,1604.53 845.59,1562 1024.97,1562 1094.97,1492 1143,1492 1190,1445 1263.35,1445 1268.35,1450 1268.35,1450.16 1280,1461.81 1348.19,1461.81 1390,1420 v1(1905,1420) ; v1(2010,1080) 2085,1080 2095,1090 2380,1090 2420,1050 J10.78@2450,1050
PP5: J6/J8.18 J10.80 U1.106 | length 2496.4
  Top Layer w6: U1.106@1436.74,2041.98 1470,2075.24 v1(1470,2085) ; v1@1775,2125 v1@1775,2117 ; v1(1776,2116) v1@1775,2117 ; v1(1900,990) 1800,1090 1800,1605 1780,1625 1780,1753.03 1738,1795.03 1738,2000.27 1765,2027.27 1765,2100 1775,2110 v1@1775,2117
  Bottom Layer w6: v1(1470,2085) 1487.97,2085 1543.97,2141 1652.44,2141 1677.44,2116 v1(1776,2116) 1914,2116 1923,2107 2002,2107 2045,2150 J6/J8.18@2050,2150 ; v1(1900,990) 2237,990 2250,977 2297,977 2320,1000 2400,1000 J10.80@2450,950
PQ0: J5/J7.7 J10.51 U1.5 | length 2761.1
  Top Layer w6: J5/J7.7@250,1750 305,1805 305,1880 325,1900 367.5,1900 392.5,1925 392.5,2237.5 405,2250 v1(405,2275) ; v1@1051,2341 1051,2286 1040,2275 1040,2266.12 U1.5@1063.7,2242.42
  Bottom Layer w6: v1(405,2275) 475,2345 1120,2345 1158,2383 1308,2383 1324,2399 1513,2399 1534,2420 2280,2420 J10.51@2350,2350
  other v1: 1050,2345
PQ1: J6/J8.12 J10.53 U1.6 | length 2337.5
  Top Layer w6: v1(1025,2295) 1025,2258.85 U1.6@1052.56,2231.28 ; J6/J8.12@2050,1550 2090,1590 2120,1590 2128,1598 2128,1778 2200,1850 2200,2275 v1(2225,2300)
  Bottom Layer w6: v1(1025,2295) 1031,2301 1145,2301 1157,2313 1476.03,2313 1553.03,2390 2095,2390 2185,2300 v1(2225,2300) 2300,2300 J10.53@2350,2250
PQ2: J6/J8.15 J10.55 R19.1 U1.11 | length 2128
  Top Layer w6: U1.11@996.89,2175.6 1020,2152.49 v1(1020,2045) ; R19.1@1860,1851.38 1861.38,1850 1895,1850 1910,1865 v1(1910,1895) ; J6/J8.15@2050,1850 2050,1865 2120,1935 2120,2038.03 2145,2063.03 v1(2145,2095)
  Bottom Layer w6: v1(1020,2045) 1243.03,2045 1308.03,2110 1361.97,2110 1410.97,2061 1489.03,2061 1557.03,2129 1647.47,2129 1690.06,2086.41 1804.03,2086.41 1818.06,2100.44 1904.56,2100.44 1915,2090 1920,2095 v1(2145,2095) 2195,2095 2250,2150 J10.55@2350,2150 ; v1(1910,1895) 2005,1895 J6/J8.15@2050,1850
PQ3: J6/J8.14 J10.57 R20.1 U1.27 | length 2148.1
  Top Layer w6: U1.27@818.72,1997.44 850,1966.15 v1(850,1950) ; v1(1064,1737) 1065,1738 v1(1065,1935) ; R20.1@1860,1773.62 1866.38,1780 v1(1905,1780) ; J6/J8.14@2050,1750 2050,1785 2120,1855 2120,1910 2145,1935 v1(2145,1990)
  Bottom Layer w6: v1(850,1950) 1050,1950 v1(1065,1935) ; v1(1064,1737) 1062,1737 1060,1735 1087,1708 1151.53,1708 1185.53,1742 1264.47,1742 1282.47,1724 1390.06,1724 1415.06,1749 1525.03,1749 1538.03,1762 1614.97,1762 1657.97,1719 1844,1719 v1(1905,1780) 1920,1795 1970,1795 2015,1750 J6/J8.14@2050,1750 ; v1(2145,1990) 2205,2050 J10.57@2350,2050
PQ4: J10.93 JP6.2 U1.102 | length 5033.5
  Top Layer w6: v1(1150,3200) JP6.2@1150,3350 ; U1.102@1481.28,1997.44 1520,2036.15 1520,2253.94 1546,2279.94 1546,2691 v1(1555,2700) ; v1(1700,3120) 1700,3098.04 1703.5,3094.54 1703.5,2876.53 1695,2868.03 v1(1695,2715) 1695,2680 1693,2678 1693,2057.09 1665.99,2030.07 1665.99,1894.01 1632,1860.03 1632,1840 1654,1818 1654,1760.24 1688,1726.24 1688,532 1780,440 1910,440 v1(2100,250)
  Bottom Layer w6: v1(1150,3200) 1525,3200 1605,3120 v1(1700,3120) ; v1(1555,2700) 1570,2715 v1(1695,2715) ; v1(2100,250) J10.93@2350,250
RXD: J101.7 JP4.1 | length 2768.6
  Top Layer w6: J101.7@750,5250 825,5175 1050,5175 1135,5090 1215,5090 1365,4940 1365,3790 1365,3590 1420,3535 1420,2980 JP4.1@1450,2950
TARGET_ID: R18.2 TP7.1 U2.2 U7.4 | length 786.4
  Top Layer w6: v1@1440,259.33 v1(1440,260) U2.2@1440,287.52 ; U7.4@1475.59,162.4 1475.59,215.59 v1(1520,260) 1520,320 TP7.1@1650,450 1590,510 1522,510 1500,532 R18.2@1500,666.38
  Bottom Layer w6: v1(1440,260) v1(1520,260)
TARGET_RESET: BSL.4 C46.2 J2/J4.16 J6/J8.16 J10.94 J11.10 J101.11 R44.1 R51.2 U1.70 U8.2 | length 12064
  Top Layer w6: v1(1200,1470) 1215,1455 1215,1411.97 1190,1386.97 1190,1210 1230,1170 1230,630 v1(1245,615) ; U1.70@1247.44,1568.72 1270,1546.15 1270,1527 v1(1277,1520) ; 1770,4918.39 1788.39,4900 1985,4900 2000,4885 2000,4500 J2/J4.16@2050,4450 2095,4405 2095,4325 2110,4310 2110,4235 2125,4220 2125,4140 2140,4125 2140,3590 2150,3580 2150,3360 v1(2140,3350) ; v1(1855,3350) 1855,3065 1905,3015 1905,2690 1877,2662 1877,2618 1898.49,2596.51 1898.49,2230.46 1893,2224.97 1893,2058 v1(1880,2045) ; J6/J8.16@2050,1950 2010,1910 2010,1822.53 2023,1809.53 2023,1790.47 2010,1777.47 2010,1626.97 1990,1606.97 1990,1140 2060,1070 2060,850 2120,790 2150,790 2260,680 v1(2260,660) 2260,600 2290,570 2290,525.12 2315.12,500 2370,500 2400,470 2400,300 J10.94@2450,250
  Top Layer w8: v1(1665,6660) R51.2@1721.38,6660 C46.2@1721.38,6580
  Top Layer w10: BSL.4@950,4550 v1(950,5120) ; J101.11@950,5250 996.5,5203.5 1073.88,5203.5 1127.37,5150 1285,5150 1370,5065 1370,5030 1407.33,4992.67 1450,4992.67 ; U8.2@1450,5024.41 1450,4992.67 ; J11.10@1770,5170.12 1770,5094.93 1795.57,5069.36 1795.57,4943.96 1770,4918.39 1524.27,4918.39 1450,4992.67
  Bottom Layer w6: v1(1200,1470) 1250,1520 v1(1277,1520) ; v1(1245,615) 1299,615 1319,635 1365,635 1385,655 2255,655 v1(2260,660) ; v1(1855,3350) v1(2140,3350) ; v1(1880,2045) 1880,2030 1920,1990 1970,1990 2010,1950 J6/J8.16@2050,1950
  Bottom Layer w8: 900,5485 830,5555 830,6465 1025,6660 v1(1665,6660)
  Bottom Layer w10: 900,5485 900,5300 J101.11@950,5250 v1(950,5120)
TARGET_TXD: J101.9 JP5.1 | length 2826.4
  Top Layer w6: v1(850,5150) 1040,5150 1120,5070 1200,5070 1315,4955 1315,3580 1395,3500 1395,3315 1285,3205 1285,3040 1250,3005 v1(1250,2980)
  Bottom Layer w6: v1(850,5150) J101.9@850,5250 ; JP5.1@1150,2950 1196.46,2950 1226.46,2980 v1(1250,2980)
TARGET_VBUS: J10.60 JP1.3 TP4.1 U1.96 U2.6 U4.6 U7.1 | length 7140.9
  Top Layer w6: v1(1530,550) 1530,580 1521.65,588.35 1521.65,758.35 1512,768 1512,1075.03 1652,1215.03 1652,1673 v1(1600,1725) 1582,1743 1582,1813.2 U1.96@1536.96,1858.24 ; v1(2400,1700) 2410,1710 2410,1910 J10.60@2450,1950
  Top Layer w10: v1(1420,340) 1420.32,339.68 U2.6@1420.32,311.81
  Top Layer w15: v1(440,2790) 440,2740.75 540,2640.75 540,2235 572.5,2202.5 572.5,1858.61 561.5,1847.61 561.5,1583.5 585,1560 v1(585,1540) ; v1(680,3205) 670,3195 670,3010 700,2980 700,2900 JP1.3@750,2850 ; U4.6@747.8,3170.12 747.8,3197.8 v1(755,3205) ; v1(1040,1460) 1040,1280 970,1210 970,1100 1080,990 1080,950 1140,890 1140,660 TP4.1@1350,450 1350,260 1398.82,211.18 U7.1@1398.82,162.4
  Bottom Layer w6: TP4.1@1350,450 1330,470 1330,520 1357,547 1380.47,547 1390.47,537 1409.53,537 1422.53,550 v1(1530,550) ; v1(1600,1725) 1630,1695 2070,1695 2090,1675 2115,1675 2140,1700 v1(2400,1700)
  Bottom Layer w10: TP4.1@1350,450 1350,410 v1(1420,340)
  Bottom Layer w15: v1(440,2790) 690,2790 JP1.3@750,2850 ; v1(585,1540) 715,1540 742.5,1512.5 861.91,1512.5 878.61,1495.8 941.48,1495.8 977.28,1460 v1(1040,1460) ; v1(680,3205) v1(755,3205)
TCK_SWDCLK: J11.4 J101.15 R1.1 U1.100 U8.6 | length 4435.4
  Top Layer w6: v1(1150,5120) 1215,5120 1510,4825 1510,3760 1480,3730 1480,3090 1596.51,2973.49 1596.51,2663.49 1570,2636.97 1570,2270 1547,2247 1547,2150 1565,2150 1575,2140 1575,2025 1550,2000 1528.39,2000 U1.100@1503.55,1975.16
  Top Layer w10: J101.15@1150,5250 1205,5195 1465,5195 1520,5250 1585,5250 1620,5215 J11.4@1620,5170.12 1620,5110 1610,5100 1460,5100 1450,5090 U8.6@1450,5075.59
  Bottom Layer w6: v1(1150,5120) J101.15@1150,5250
TDI: J11.8 J101.19 U1.98 U8.3 | length 4087.8
  Top Layer w6: v1(1450,4955) 1640,4765 1640,3325 1600,3285 1600,3165 1640,3125 1640,2685 1657,2668 1657,2072 1629.99,2044.99 1629.99,2035 1569.99,1975 1547.93,1975 U1.98@1525.82,1952.89
  Top Layer w8: U8.3@1469.68,5024.41 1469.68,5015.31 v3(1490,4995) ; J11.8@1720,5170.12 v2(1720,5250) v2@1720,5255
  Bottom Layer w6: v1(1450,4955) v3(1490,4995)
  Bottom Layer w8: J101.19@1350,5250 v2(1720,5250) 1554,5084 1554,5059 v3(1490,4995)
TDO_SWO: J11.6 J101.17 U1.97 U8.5 | length 4312
  Top Layer w6: U1.97@1536.96,1941.76 1553.72,1925 1591.99,1925 1641.99,1975 1641.99,2040.01 1669,2067.03 1669,2676 1655,2690 1655,2844 1671,2860 1671,2949 1670,2950 v1(1665,2950) ; v1(1675,4530) 1680,4535 v1(1680,4885) ; v1(1765,2950) 1765,3415 1805,3455 1805,3655 1815,3665 v1(1815,4450)
  Top Layer w8: J101.17@1250,5250 1290.53,5290.53 1619.47,5290.53 ; J11.6@1670,5170.12 1670,5240
  Top Layer w10: U8.5@1469.68,5075.59 1469.68,5077.68 1657.68,5077.68 v1(1670,5090) J11.6@1670,5170.12 ; 1619.47,5290.53 1670,5240
  Bottom Layer w6: v1(1665,2950) v1(1765,2950) ; v1(1670,5090) 1670,4895 v1(1680,4885) ; v1(1675,4530) 1755,4450 v1(1815,4450)
TMS_SWDIO: J11.2 J101.13 R2.1 U1.99 U8.7 | length 4114.9
  Top Layer w6: v1(1270,5120) 1270,5095 1576,4789 1576,3130 1610,3096 1610,2660 1585,2635 1585,2270 1633,2222 1633,2155 1628,2150 1615,2150 1605,2140 1605,2032 1560,1987 1537.66,1987 U1.99@1514.69,1964.03
  Top Layer w10: J101.13@1050,5250 1130,5170 v1(1320,5170) 1430.32,5170 ; U8.7@1430.32,5075.59 1430.32,5170 ; 1490,5170 1430.32,5170 ; 1490.12,5170.12 J11.2@1570,5170.12
  Bottom Layer w6: v1(1270,5120) v1(1320,5170)
USBD_N: TP5.1 U1.93 U2.1 U7.2 | length 1818.7
  Top Layer w9: U1.93@1503.55,1824.84 1524.06,1804.33
  Top Layer w10: 1523.85,1783.85 1523.85,1787.02 1524.06,1787.22 1524.06,1804.33
  Top Layer w15: U7.2@1424.41,162.4 1424.41,236.7 1412.5,248.61 1412.5,271.39 1417.8,276.69 1412.82,281.67 U2.1@1420.32,289.17 1420.32,292.41 1410.79,292.41 1392.5,310.69 1392.5,392.5 TP5.1@1450,450 1443,457 1443,1089.7 1594,1240.7 1594,1576 1523.85,1646.15 1523.85,1783.85
USBD_P: TP6.1 U1.94 U2.3 U7.3 | length 1868.6
  Top Layer w9: U1.94@1514.69,1835.97 1544.85,1805.81
  Top Layer w10: 1544.85,1795.15 1544.85,1805.81
  Top Layer w15: U7.3@1450,162.4 1450,231.11 1467.5,248.61 1467.5,271.39 1457.44,281.45 1457.44,285.94 U2.3@1459.69,288.19 1459.69,292.41 1469.21,292.41 1477.5,300.69 1477.5,377.5 TP6.1@1550,450 1464,536 1464,1081 1615,1232 1615,1584.7 1544.85,1654.85 1544.85,1795.15
VBUS: JP1.2 JP1.4 JP1.6 R35.2 R36.2 U4.2 | length 522.1
  Top Layer w6: R36.2@841.38,3145 R35.2@841.38,3100 850,3091.38 850,3062.23 851.5,3060.73 851.5,2950 JP1.6@850,2950
  Top Layer w15: U4.2@722.2,3059.88 722.2,3042.8 750,3015 JP1.4@750,2950
  Bottom Layer w15: JP1.2@650,2950 JP1.4@750,2950 JP1.6@850,2950
VBUS_DETECT: IC106.1 R122.1 R124.2 | length 94.6
  Top Layer w7: R124.2@253.62,5475 R122.1@253.62,5515 ; R122.1@260.91,5522.28 IC106.1@260.91,5576.85
VDDC: C4.2 C14.1 C15.1 TP12.1 U1.87 U1.115 | length 1138.4
  Top Layer w8: U1.115@1336.52,2142.2 1360,2165.68 1360,2170
  Top Layer w10: U1.115@1336.52,2142.2 1336.52,2141.52 1290,2095 1290,2065 1325,2030 1325,1950 1305,1930 1305,1855 1315,1845 1349.76,1845 U1.87@1436.74,1758.02 1475,1719.76 1475,1628.62 C4.2@1460,1613.62 ; 1360,2170 1360,2185 1376.56,2201.56 1376.56,2250.07 C15.1@1395,2268.5 ; C14.1@1450,2271.38 1447.13,2268.5 C15.1@1395,2268.5 ; TP12.1@1450,2450 1390,2450 1365.3,2425.3 1365.3,2298.2 C15.1@1395,2268.5
VREF+: J10.34 R41.2 TP13.1 U1.9 | length 2568.9
  Top Layer w6: U1.9@1019.16,2197.88 1000,2217.03 1000,2310 985,2325 R41.2@985,2356.38 1005.26,2356.38 1050,2401.12 TP13.1@1050,2450 1050,2535 1030,2555 1030,2735 1107,2812 1107,2976.97 1100,2983.97 v1(1100,3300)
  Bottom Layer w6: v1(1100,3300) 2400,3300 J10.34@2450,3250
WAKE: J10.95 R42.1 TP10.1 U1.64 Wake_SW4.3 | length 2966.5
  Top Layer w6: v1(1100,880) 1100,520 1210,410 v1(1210,240) ; U1.64@1108.24,1513.04 1108.24,1511.76 1120,1500 1120,1470 1100,1450 1100,1300 ; v1(1120,1300) 1100,1300 ; v1(1140,950) 1120,970 1120,1080 TP10.1@1050,1150 1050,1175 1100,1225 1100,1300 ; R42.1@1323.62,1240 v1(1323.62,1276.38) ; v1(1915,200) 1915,139.88 Wake_SW4.3@1917.32,137.56
  Bottom Layer w6: v1(1100,880) 1100,893.33 1140,933.33 v1(1140,950) ; v1(1120,1300) 1196.38,1300 1220,1276.38 v1(1323.62,1276.38) ; v1(1210,240) 1290,240 1350,300 1527.47,300 1627.47,200 v1(1915,200) 2300,200 J10.95@2350,150
XDS_DM: IC102.5 IC106.93 USB101.2 | length 585.8
  Top Layer w8: IC106.93@308.15,6183.15 308.15,6224.91 300.83,6232.24 300.83,6465.81 310.02,6475 v2(335,6475)
  Top Layer w10: USB101.2@419.41,6648.19 419.41,6609.41 415,6605 v2(415,6595) 415,6592.63 413.02,6590.65 418.47,6585.2 418.47,6579.05 422,6575.53 ; 422,6575.52 425,6572.52 IC102.5@425,6546.81
  Bottom Layer w10: v2(335,6475) 415,6555 v2(415,6595)
XDS_DP: IC102.4 IC106.94 USB101.3 | length 659
  Top Layer w8: IC106.94@292.4,6183.15 292.4,6220.86 286.83,6226.44 286.83,6486.83 299.96,6499.96 305.12,6499.96 305.16,6500 345,6500 v2(370,6475)
  Top Layer w10: v2@367.53,6475 v2(370,6475) ; IC102.4@445,6547.13 v2(445,6595) USB101.3@445,6648.19
  Bottom Layer w10: v2@370,6475.54 445,6550.54 v2(445,6595)
XDS_GND: C102.2 C132.2 C133.2 C134.2 C135.2 C136.2 C137.2 C138.2 C139.2 C140.2 C141.2 C142.2 C143.2 C144.2 C145.2 C146.2 C148.2 C149.2 C150.2 C159.2 IC6.1 IC101.6 IC101.9 IC102.3 IC106.10 IC106.17 IC106.48 IC106.55 IC106.58 IC106.64 IC106.66 IC106.80 IC106.114 J101.2 J102.3 J102.5 J102.7 J102.9 J108.3 J108.5 J108.9 LED101.2 LED102.2 Q101.2 Q101.4 R101.2 R121.1 R124.1 R128.1 R132.1 R134.1 U108.4 | length 1161.3
  Top Layer w6: v2@101.38,5856.38 IC106.114@201.85,5856.38 271.38,5856.38 v2(285,5870) ; v2@490,6235 512.88,6212.12 IC106.80@512.88,6183.15 v3@512.88,6130.15 ; v2@733.35,6138.35 730,6135 735,6130 v2(735,6128.03)
  Top Layer w8: Q101.2@341.38,6330.98 C134.2@341.38,6375 ; C134.2@350,6383.62 v3@350,6410 ; IC106.10@402.64,5576.85 v2@402.64,5642.36 ; Q101.4@425,6260 481.38,6260 C133.2@485,6256.38 ; v2@444.69,6490.31 IC102.3@444.69,6523.19 ; 488.62,5515 510,5515 v2(530,5495) ; IC106.17@512.88,5576.85 v2@512.88,5642.87 ; v2@733.35,6138.35 IC106.66@733.35,6183.15 ; v2@734.6,6029.6 IC106.58@808.15,6029.6 ; v2@737.12,5872.12 IC106.48@808.15,5872.12 C139.2@884.25,5872.12 ; C138.2@740,6245 v3(765.59,6245) ; 762.13,6124.09 IC106.64@808.15,6124.09 ; 767.64,5982.36 IC106.55@808.15,5982.36 855,5982.36 870.47,5966.89 v3(897.71,5966.89) ; v2@1440,5450 U108.4@1440,5474.41
  other v2: 305,5440 1440,5440 175,5475 765,5475 400,5645 515,5645 95,5725 1190,5725 30,5745 910,5830 100,5855 735,5870 105,5960 730,5980 105,5990 975,6010 730,6025 30,6030 745,6100 1060,6230 495,6240 230,6275 30,6290 165,6390 115,6435 1105,6470 1605,6480 1335,6485 445,6490 115,6535 30,6540 1855,6680
  other v3: 1880,5335 2115,5335 530,5420 660,5420 805,5425 60,5450 1055,5455 1240,5455 615,5480 1080,5550 1300,5555 1510,5570 805,5585 985,5595 2190,5600 2270,5600 1595,5650 1695,5650 1070,5725 520,5880 2275,5900 1065,6000 300,6105 515,6128.03 1615,6155 2275,6300 875,6305 600,6315 230,6390 800,6410 350,6420 875,6450 630,6515 585,6520 230,6530 1825,6550 1605,6570 700,6585 240,6590 2245,6591.22 1050,6605 1235,6605 1490,6610 40,6650 610,6655 680,6655 215,6750 685,6800 1120,6800 2050,6800 866.74,6801.97 1350,6805 1625,6805
  other v4: 525,6387.6 502.36,6425 547.64,6425 525,6462.4
XDS_ID: IC102.2 IC106.95 USB101.4 | length 732.7
  Top Layer w6: v2(410,6480) v2@410,6490
  Top Layer w8: IC106.95@276.66,6183.15 276.66,6216.81 272.83,6220.64 272.83,6495.83 290.96,6513.96 299.32,6513.96 299.36,6514 376,6514 v2(410,6480) ; v2@410,6490 410,6503.89 IC102.2@425,6518.89 ; USB101.4@470.59,6648.19 470.59,6609.41 474.36,6605.64 v2@474.36,6581.79
  Bottom Layer w8: v2(410,6480) 410,6494.33 430,6514.33 442.56,6514.33 468,6539.77 468,6575.43 474.36,6581.79 v2@474.36,6592.55
  other v2: 475,6585
XDS_RESET_OUT: IC106.40 J101.12 J102.10 R158.1 U108.2 | length 1272
  Top Layer w8: IC106.40@808.15,5746.14 808.15,5747 899.11,5747 899.97,5746.14 R158.1@918.71,5746.14 ; v2(1330,5500) U108.2@1414.41,5500 ; v2(1525,5410) 1569.88,5410 J102.10@1570,5409.88
  Top Layer w10: R158.1@927.57,5755 v3(970,5755)
  Bottom Layer w8: J101.12@950,5350 1010,5500 ; v3(970,5755) 975,5755 1010,5720 1010,5500 ; v2(1525,5410) 1435,5500 v2(1330,5500) 1010,5500
XDS_RXD: IC106.33 J101.10 | length 303.2
  Top Layer w6: IC106.33@808.15,5635.9 850,5594.06 J101.10@850,5350
XDS_TCK_SWDCLK: IC106.35 J101.16 J102.4 U108.6 | length 1614.1
  Top Layer w8: IC106.35@808.15,5667.4 842.56,5667.4 ; 844.37,5665.59 893.47,5616.49 893.47,5606.53
  Top Layer w10: 893.47,5606.53 893.47,5326.59 926.59,5293.47 1093.47,5293.47 J101.16@1150,5350 ; U108.6@1465.59,5500 1524.72,5500 1542.71,5482.01 1697.99,5482.01 1720,5460 J102.4@1720,5409.88
  Bottom Layer w8: J101.16@1150,5350 1190,5310 1232.69,5310 1233.21,5309.47 1674.47,5309.47
  Bottom Layer w10: 1674.47,5309.47 v2(1720,5355)